# KiCad board manila_ice.kicad_pcb (continued)
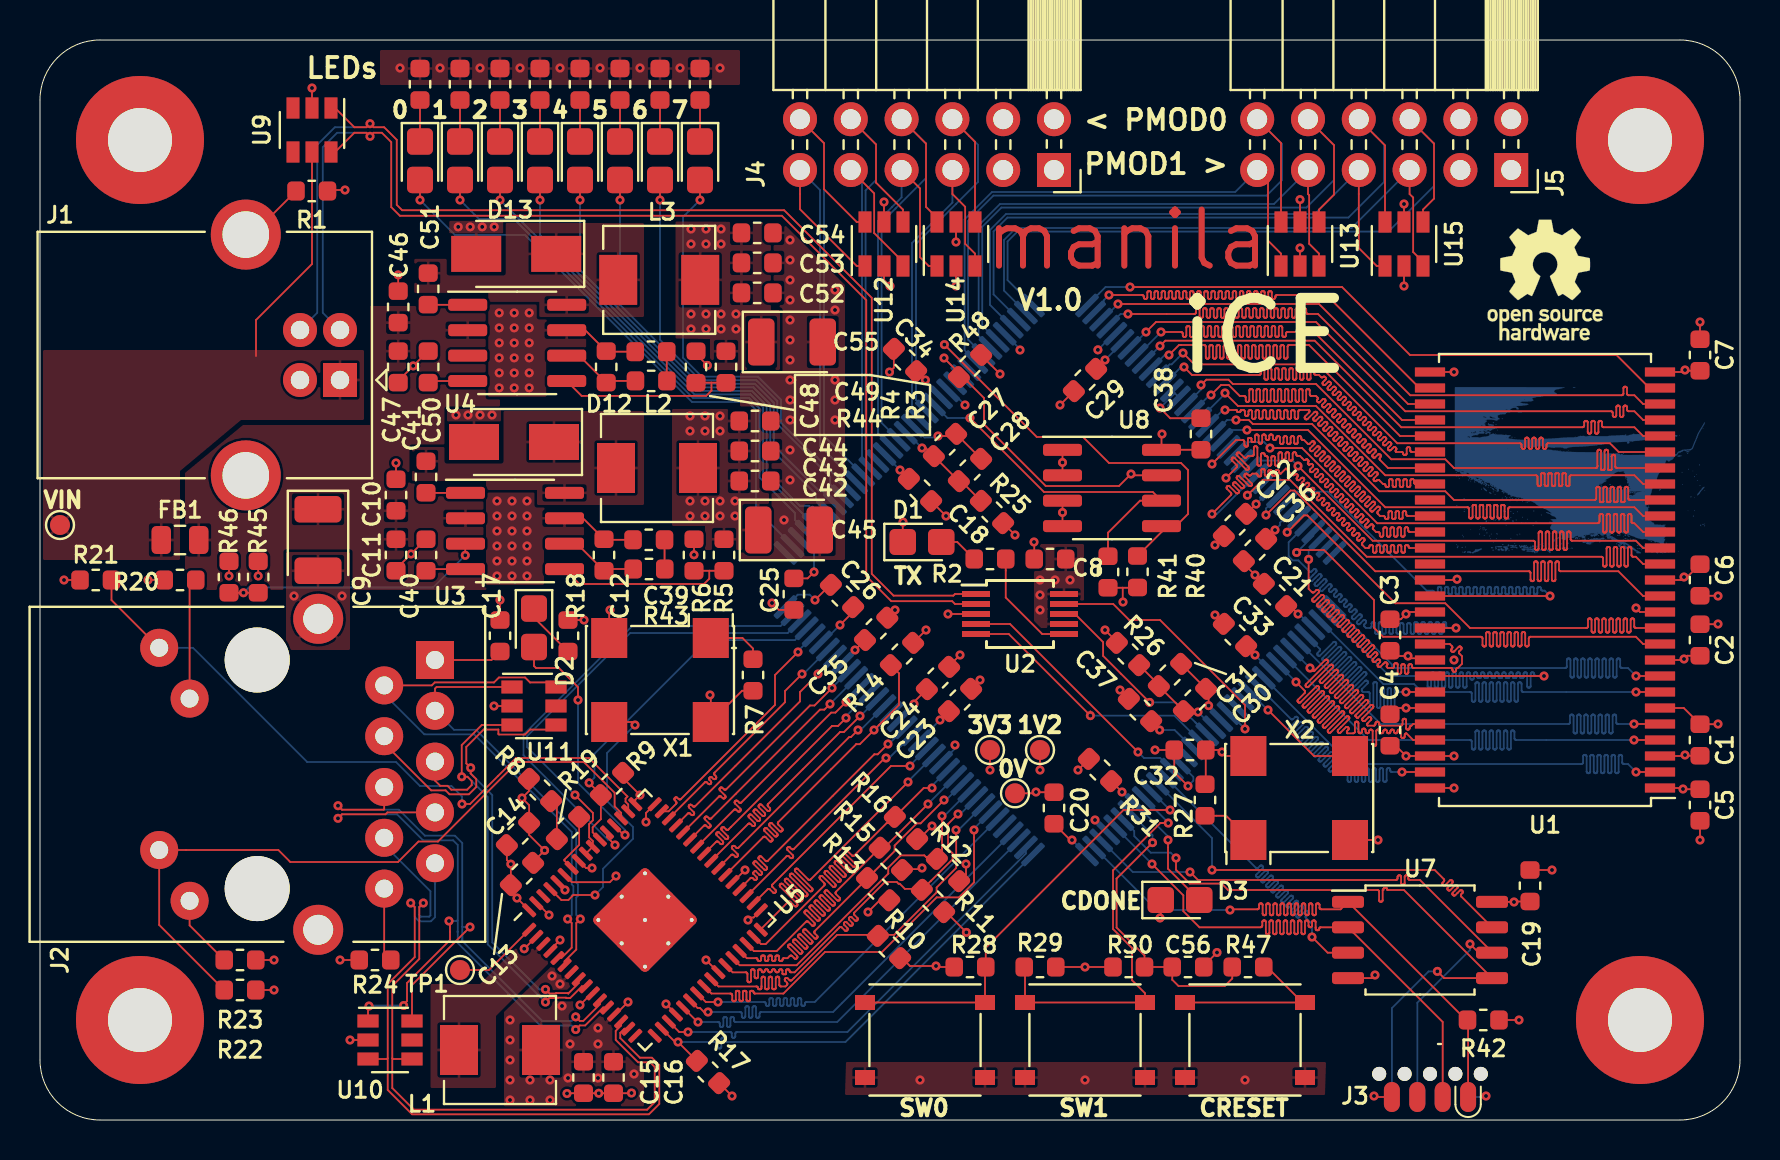
[diagram p0: board, top side]
## Routing (per net, layer and track width the routed paths; a pad name or vN(x,y) marks a point on that pad's centre or on a via; arc(x,y) is an arc through that point) (continued)
/SDRAM/DATA3: length 31
  Top w0.089: U1.7 v1(79.8,21.4)
  Bottom w0.089: U6.39 67.16,21.8 68.7,21.8 69.1,21.4 71.5,21.4 71.52,21.4 71.54,21.39 71.56,21.38 71.57,21.37 71.58,21.35 71.59,21.33 71.59,21.31 71.59,21 71.59,20.98 71.6,20.96 71.61,20.94 71.62,20.93 71.64,20.92 71.66,20.91 71.68,20.91 71.7,20.91 71.72,20.92 71.73,20.93 71.75,20.94 71.76,20.96 71.76,20.98 71.77,21 71.77,21.8 71.77,21.82 71.78,21.84 71.79,21.86 71.8,21.87 71.82,21.88 71.84,21.89 71.86,21.89 71.88,21.89 71.89,21.88 71.91,21.87 71.93,21.86 71.94,21.84 71.94,21.82 71.94,21.8 71.94,21 71.95,20.98 71.95,20.96 71.96,20.94 71.98,20.93 71.99,20.92 72.01,20.91 72.03,20.91 72.05,20.91 72.07,20.92 72.09,20.93 72.1,20.94 72.11,20.96 72.12,20.98 72.12,21 72.12,21.8 72.12,21.82 72.13,21.84 72.14,21.86 72.16,21.87 72.17,21.88 72.19,21.89 72.21,21.89 72.23,21.89 72.25,21.88 72.27,21.87 72.28,21.86 72.29,21.84 72.3,21.82 72.3,21.8 72.3,21 72.3,20.98 72.31,20.96 72.32,20.94 72.33,20.93 72.35,20.92 72.37,20.91 72.39,20.91 72.41,20.91 72.43,20.92 72.44,20.93 72.46,20.94 72.47,20.96 72.48,20.98 72.48,21 72.48,21.8 72.48,21.82 72.49,21.84 72.5,21.86 72.51,21.87 72.53,21.88 72.55,21.89 72.57,21.89 72.59,21.89 72.61,21.88 72.62,21.87 72.64,21.86 72.65,21.84 72.65,21.82 72.66,21.8 72.66,21 72.66,20.98 72.66,20.96 72.68,20.94 72.69,20.93 72.71,20.92 72.72,20.91 72.74,20.91 72.76,20.91 72.78,20.92 72.8,20.93 72.81,20.94 72.82,20.96 72.83,20.98 72.83,21 72.83,21.8 72.84,21.82 72.84,21.84 72.85,21.86 72.87,21.87 72.88,21.88 72.9,21.89 72.92,21.89 72.94,21.89 72.96,21.88 72.98,21.87 72.99,21.86 73,21.84 73.01,21.82 73.01,21.8 73.01,21 73.01,20.98 73.02,20.96 73.03,20.94 73.04,20.93 73.06,20.92 73.08,20.91 73.1,20.91 73.12,20.91 73.14,20.92 73.16,20.93 73.17,20.94 73.18,20.96 73.19,20.98 73.19,21 73.19,21.8 73.19,21.82 73.2,21.84 73.21,21.86 73.22,21.87 73.24,21.88 73.26,21.89 73.28,21.89 73.3,21.89 73.32,21.88 73.33,21.87 73.35,21.86 73.36,21.84 73.36,21.82 73.37,21.8 73.37,21 73.37,20.98 73.38,20.96 73.39,20.94 73.4,20.93 73.42,20.92 73.44,20.91 73.46,20.91 73.48,20.91 73.49,20.92 73.51,20.93 73.53,20.94 73.54,20.96 73.54,20.98 73.54,21 73.54,21.8 73.55,21.82 73.55,21.84 73.56,21.86 73.58,21.87 73.6,21.88 73.61,21.89 73.63,21.89 73.65,21.89 73.67,21.88 73.69,21.87 73.7,21.86 73.71,21.84 73.72,21.82 73.72,21.8 73.72,21 73.72,20.98 73.73,20.96 73.74,20.94 73.76,20.93 73.77,20.92 73.79,20.91 73.81,20.91 73.83,20.91 73.85,20.92 73.87,20.93 73.88,20.94 73.89,20.96 73.9,20.98 73.9,21 73.9,21.8 73.9,21.82 73.91,21.84 73.92,21.86 73.93,21.87 73.95,21.88 73.97,21.89 73.99,21.89 74.01,21.89 74.03,21.88 74.04,21.87 74.06,21.86 74.07,21.84 74.08,21.82 74.08,21.8 74.08,21.49 74.08,21.47 74.09,21.45 74.1,21.43 74.11,21.42 74.13,21.41 74.15,21.4 74.17,21.4 v1(79.8,21.4)
/SDRAM/DATA4: length 31
  Top w0.089: U1.8 v1(79.8,22.2)
  Bottom w0.089: v1(79.8,22.2) 79.4,22.6 79.1,22.6 79.08,22.6 79.06,22.61 79.04,22.62 79.03,22.63 79.02,22.65 79.01,22.67 79.01,22.69 79.01,22.99 79.01,23.01 79,23.03 78.99,23.05 78.98,23.06 78.96,23.07 78.94,23.08 78.92,23.08 78.9,23.08 78.88,23.07 78.87,23.06 78.85,23.05 78.84,23.03 78.83,23.01 78.83,22.99 78.83,22.21 78.83,22.19 78.82,22.17 78.81,22.15 78.8,22.14 78.78,22.13 78.76,22.12 78.74,22.12 78.72,22.12 78.7,22.13 78.69,22.14 78.67,22.15 78.66,22.17 78.66,22.19 78.65,22.21 78.65,22.99 78.65,23.01 78.65,23.03 78.63,23.05 78.62,23.06 78.6,23.07 78.58,23.08 78.56,23.08 78.55,23.08 78.53,23.07 78.51,23.06 78.5,23.05 78.48,23.03 78.48,23.01 78.48,22.99 78.48,22.21 78.47,22.19 78.47,22.17 78.46,22.15 78.44,22.14 78.43,22.13 78.41,22.12 78.39,22.12 78.37,22.12 78.35,22.13 78.33,22.14 78.32,22.15 78.31,22.17 78.3,22.19 78.3,22.21 78.3,22.99 78.3,23.01 78.29,23.03 78.28,23.05 78.26,23.06 78.25,23.07 78.23,23.08 78.21,23.08 78.19,23.08 78.17,23.07 78.15,23.06 78.14,23.05 78.13,23.03 78.12,23.01 78.12,22.99 78.12,22.21 78.12,22.19 78.11,22.17 78.1,22.15 78.09,22.14 78.07,22.13 78.05,22.12 78.03,22.12 78.01,22.12 77.99,22.13 77.98,22.14 77.96,22.15 77.95,22.17 77.94,22.19 77.94,22.21 77.94,22.99 77.94,23.01 77.93,23.03 77.92,23.05 77.91,23.06 77.89,23.07 77.87,23.08 77.85,23.08 77.83,23.08 77.82,23.07 77.8,23.06 77.78,23.05 77.77,23.03 77.77,23.01 77.76,22.99 77.76,22.21 77.76,22.19 77.76,22.17 77.75,22.15 77.73,22.14 77.71,22.13 77.7,22.12 77.68,22.12 77.66,22.12 77.64,22.13 77.62,22.14 77.61,22.15 77.6,22.17 77.59,22.19 77.59,22.21 77.59,22.99 77.58,23.01 77.58,23.03 77.57,23.05 77.55,23.06 77.54,23.07 77.52,23.08 77.5,23.08 77.48,23.08 77.46,23.07 77.44,23.06 77.43,23.05 77.42,23.03 77.41,23.01 77.41,22.99 77.41,22.21 77.41,22.19 77.4,22.17 77.39,22.15 77.38,22.14 77.36,22.13 77.34,22.12 77.32,22.12 77.3,22.12 77.28,22.13 77.26,22.14 77.25,22.15 77.24,22.17 77.23,22.19 77.23,22.21 77.23,22.99 77.23,23.01 77.22,23.03 77.21,23.05 77.2,23.06 77.18,23.07 77.16,23.08 77.14,23.08 77.12,23.08 77.1,23.07 77.09,23.06 77.07,23.05 77.06,23.03 77.06,23.01 77.05,22.99 77.05,22.21 77.05,22.19 77.04,22.17 77.03,22.15 77.02,22.14 77,22.13 76.98,22.12 76.96,22.12 76.94,22.12 76.93,22.13 76.91,22.14 76.9,22.15 76.88,22.17 76.88,22.19 76.88,22.21 76.88,22.99 76.87,23.01 76.87,23.03 76.86,23.05 76.84,23.06 76.83,23.07 76.81,23.08 76.79,23.08 76.77,23.08 76.75,23.07 76.73,23.06 76.72,23.05 76.71,23.03 76.7,23.01 76.7,22.99 76.7,22.21 76.7,22.19 76.69,22.17 76.68,22.15 76.66,22.14 76.65,22.13 76.63,22.12 76.61,22.12 76.59,22.12 76.57,22.13 76.55,22.14 76.54,22.15 76.53,22.17 76.52,22.19 76.52,22.21 76.52,22.99 76.52,23.01 76.51,23.03 76.5,23.05 76.49,23.06 76.47,23.07 76.45,23.08 76.43,23.08 76.41,23.08 76.39,23.07 76.38,23.06 76.36,23.05 76.35,23.03 76.34,23.01 76.34,22.99 76.34,22.69 76.34,22.67 76.33,22.65 76.32,22.63 76.31,22.62 76.29,22.61 76.27,22.6 76.25,22.6 67.6,22.6 67.6,22.77 U6.37
/SDRAM/DATA5: length 31
  Top w0.089: v1(62.83,28.38) 62.95,28.5 64.2,28.5 66.7,26 66.7,24.61 67.15,24.16 72.04,24.16 72.06,24.16 72.08,24.15 72.09,24.14 72.11,24.13 72.12,24.11 72.12,24.09 72.13,24.07 72.13,23.76 72.13,23.74 72.14,23.72 72.15,23.71 72.16,23.69 72.18,23.68 72.2,23.68 72.22,23.67 72.24,23.68 72.25,23.68 72.27,23.69 72.28,23.71 72.3,23.72 72.3,23.74 72.3,23.76 72.3,24.31 72.31,24.33 72.31,24.35 72.32,24.37 72.34,24.38 72.35,24.39 72.37,24.4 72.39,24.4 72.41,24.4 72.43,24.39 72.45,24.38 72.46,24.37 72.47,24.35 72.48,24.33 72.48,24.31 72.48,23.76 72.48,23.74 72.49,23.72 72.5,23.71 72.52,23.69 72.53,23.68 72.55,23.68 72.57,23.67 72.59,23.68 72.61,23.68 72.63,23.69 72.64,23.71 72.65,23.72 72.66,23.74 72.66,23.76 72.66,24.31 72.66,24.33 72.67,24.35 72.68,24.37 72.69,24.38 72.71,24.39 72.73,24.4 72.75,24.4 72.77,24.4 72.79,24.39 72.8,24.38 72.82,24.37 72.83,24.35 72.84,24.33 72.84,24.31 72.84,23.76 72.84,23.74 72.85,23.72 72.86,23.71 72.87,23.69 72.89,23.68 72.91,23.68 72.93,23.67 72.95,23.68 72.97,23.68 72.98,23.69 73,23.71 73.01,23.72 73.01,23.74 73.02,23.76 73.02,24.31 73.02,24.33 73.02,24.35 73.03,24.37 73.05,24.38 73.07,24.39 73.08,24.4 73.1,24.4 73.12,24.4 73.14,24.39 73.16,24.38 73.17,24.37 73.18,24.35 73.19,24.33 73.19,24.31 73.19,23.76 73.2,23.74 73.2,23.72 73.21,23.71 73.23,23.69 73.24,23.68 73.26,23.68 73.28,23.67 73.3,23.68 73.32,23.68 73.34,23.69 73.35,23.71 73.36,23.72 73.37,23.74 73.37,23.76 73.37,24.31 73.37,24.33 73.38,24.35 73.39,24.37 73.4,24.38 73.42,24.39 73.44,24.4 73.46,24.4 73.48,24.4 73.5,24.39 73.52,24.38 73.53,24.37 73.54,24.35 73.55,24.33 73.55,24.31 73.55,23.76 73.55,23.74 73.56,23.72 73.57,23.71 73.58,23.69 73.6,23.68 73.62,23.68 73.64,23.67 73.66,23.68 73.68,23.68 73.69,23.69 73.71,23.71 73.72,23.72 73.72,23.74 73.73,23.76 73.73,24.31 73.73,24.33 73.74,24.35 73.75,24.37 73.76,24.38 73.78,24.39 73.8,24.4 73.82,24.4 73.84,24.4 73.85,24.39 73.87,24.38 73.89,24.37 73.9,24.35 73.9,24.33 73.9,24.31 73.9,23.76 73.91,23.74 73.91,23.72 73.92,23.71 73.94,23.69 73.95,23.68 73.97,23.68 73.99,23.67 74.01,23.68 74.03,23.68 74.05,23.69 74.06,23.71 74.07,23.72 74.08,23.74 74.08,23.76 74.08,24.31 74.08,24.33 74.09,24.35 74.1,24.37 74.12,24.38 74.13,24.39 74.15,24.4 74.17,24.4 74.19,24.4 74.21,24.39 74.23,24.38 74.24,24.37 74.25,24.35 74.26,24.33 74.26,24.31 74.26,23.76 74.26,23.74 74.27,23.72 74.28,23.71 74.29,23.69 74.31,23.68 74.33,23.68 74.35,23.67 74.37,23.68 74.39,23.68 74.4,23.69 74.42,23.71 74.43,23.72 74.44,23.74 74.44,23.76 74.44,24.07 74.44,24.09 74.45,24.11 74.46,24.13 74.47,24.14 74.49,24.15 74.51,24.16 74.53,24.16 79.79,24.16 80.16,23.8 U1.10
  Bottom w0.089: v1(62.83,28.38) 63.67,29.21 U6.33
/SDRAM/DATA6: length 30.8
  Top w0.089: v1(62.36,29.39) 63.2,30.23 63.37,30.23 67.76,25.84 70.26,25.84 71.5,24.6 77.31,24.6 77.33,24.6 77.35,24.61 77.37,24.62 77.38,24.63 77.39,24.65 77.4,24.67 77.4,24.69 77.4,24.99 77.4,25.01 77.41,25.03 77.42,25.05 77.43,25.06 77.45,25.07 77.47,25.08 77.49,25.08 77.51,25.08 77.53,25.07 77.54,25.06 77.56,25.05 77.57,25.03 77.58,25.01 77.58,24.99 77.58,24.46 77.58,24.44 77.59,24.42 77.6,24.4 77.61,24.39 77.63,24.38 77.65,24.37 77.67,24.37 77.69,24.37 77.7,24.38 77.72,24.39 77.74,24.4 77.75,24.42 77.75,24.44 77.76,24.46 77.76,24.99 77.76,25.01 77.76,25.03 77.77,25.05 77.79,25.06 77.81,25.07 77.82,25.08 77.84,25.08 77.86,25.08 77.88,25.07 77.9,25.06 77.91,25.05 77.92,25.03 77.93,25.01 77.93,24.99 77.93,24.46 77.94,24.44 77.94,24.42 77.95,24.4 77.97,24.39 77.98,24.38 78,24.37 78.02,24.37 78.04,24.37 78.06,24.38 78.08,24.39 78.09,24.4 78.1,24.42 78.11,24.44 78.11,24.46 78.11,24.99 78.11,25.01 78.12,25.03 78.13,25.05 78.14,25.06 78.16,25.07 78.18,25.08 78.2,25.08 78.22,25.08 78.24,25.07 78.26,25.06 78.27,25.05 78.28,25.03 78.29,25.01 78.29,24.99 78.29,24.46 78.29,24.44 78.3,24.42 78.31,24.4 78.32,24.39 78.34,24.38 78.36,24.37 78.38,24.37 78.4,24.37 78.42,24.38 78.43,24.39 78.45,24.4 78.46,24.42 78.46,24.44 78.47,24.46 78.47,24.99 78.47,25.01 78.48,25.03 78.49,25.05 78.5,25.06 78.52,25.07 78.54,25.08 78.56,25.08 78.58,25.08 78.59,25.07 78.61,25.06 78.62,25.05 78.64,25.03 78.64,25.01 78.64,24.99 78.64,24.46 78.65,24.44 78.65,24.42 78.66,24.4 78.68,24.39 78.69,24.38 78.71,24.37 78.73,24.37 78.75,24.37 78.77,24.38 78.79,24.39 78.8,24.4 78.81,24.42 78.82,24.44 78.82,24.46 78.82,24.99 78.82,25.01 78.83,25.03 78.84,25.05 78.86,25.06 78.87,25.07 78.89,25.08 78.91,25.08 78.93,25.08 78.95,25.07 78.97,25.06 78.98,25.05 78.99,25.03 79,25.01 79,24.99 79,24.46 79,24.44 79.01,24.42 79.02,24.4 79.03,24.39 79.05,24.38 79.07,24.37 79.09,24.37 79.11,24.37 79.13,24.38 79.14,24.39 79.16,24.4 79.17,24.42 79.18,24.44 79.18,24.46 79.18,24.99 79.18,25.01 79.19,25.03 79.2,25.05 79.21,25.06 79.23,25.07 79.25,25.08 79.27,25.08 79.29,25.08 79.31,25.07 79.32,25.06 79.34,25.05 79.35,25.03 79.35,25.01 79.36,24.99 79.36,24.46 79.36,24.44 79.36,24.42 79.37,24.4 79.39,24.39 79.41,24.38 79.42,24.37 79.44,24.37 79.46,24.37 79.48,24.38 79.5,24.39 79.51,24.4 79.52,24.42 79.53,24.44 79.53,24.46 79.53,24.99 79.54,25.01 79.54,25.03 79.55,25.05 79.57,25.06 79.58,25.07 79.6,25.08 79.62,25.08 79.64,25.08 79.66,25.07 79.68,25.06 79.69,25.05 79.7,25.03 79.71,25.01 79.71,24.99 79.71,24.69 79.71,24.67 79.72,24.65 79.73,24.63 79.74,24.62 79.76,24.61 79.78,24.6 79.8,24.6 U1.11
  Bottom w0.089: v1(62.36,29.39) 62.96,29.99 U6.31
/SDRAM/DATA7: length 30.9
  Top w0.089: v1(61.3,30.25) 62.52,31.47 62.73,31.47 66.76,27.44 74.44,27.44 74.46,27.44 74.48,27.43 74.49,27.42 74.51,27.4 74.52,27.39 74.52,27.37 74.53,27.35 74.53,27.03 74.53,27.01 74.54,26.99 74.55,26.97 74.56,26.96 74.58,26.95 74.6,26.94 74.62,26.94 74.64,26.94 74.65,26.95 74.67,26.96 74.68,26.97 74.7,26.99 74.7,27.01 74.7,27.03 74.7,27.85 74.71,27.87 74.71,27.89 74.72,27.9 74.74,27.92 74.75,27.93 74.77,27.93 74.79,27.94 74.81,27.93 74.83,27.93 74.85,27.92 74.86,27.9 74.87,27.89 74.88,27.87 74.88,27.85 74.88,27.03 74.88,27.01 74.89,26.99 74.9,26.97 74.92,26.96 74.93,26.95 74.95,26.94 74.97,26.94 74.99,26.94 75.01,26.95 75.03,26.96 75.04,26.97 75.05,26.99 75.06,27.01 75.06,27.03 75.06,27.85 75.06,27.87 75.07,27.89 75.08,27.9 75.09,27.92 75.11,27.93 75.13,27.93 75.15,27.94 75.17,27.93 75.19,27.93 75.2,27.92 75.22,27.9 75.23,27.89 75.24,27.87 75.24,27.85 75.24,27.03 75.24,27.01 75.25,26.99 75.26,26.97 75.27,26.96 75.29,26.95 75.31,26.94 75.33,26.94 75.35,26.94 75.37,26.95 75.38,26.96 75.4,26.97 75.41,26.99 75.41,27.01 75.42,27.03 75.42,27.85 75.42,27.87 75.42,27.89 75.43,27.9 75.45,27.92 75.47,27.93 75.48,27.93 75.5,27.94 75.52,27.93 75.54,27.93 75.56,27.92 75.57,27.9 75.58,27.89 75.59,27.87 75.59,27.85 75.59,27.03 75.6,27.01 75.6,26.99 75.61,26.97 75.63,26.96 75.64,26.95 75.66,26.94 75.68,26.94 75.7,26.94 75.72,26.95 75.74,26.96 75.75,26.97 75.76,26.99 75.77,27.01 75.77,27.03 75.77,27.85 75.77,27.87 75.78,27.89 75.79,27.9 75.8,27.92 75.82,27.93 75.84,27.93 75.86,27.94 75.88,27.93 75.9,27.93 75.92,27.92 75.93,27.9 75.94,27.89 75.95,27.87 75.95,27.85 75.95,27.53 75.95,27.51 75.96,27.49 75.97,27.47 75.98,27.46 76,27.45 76.02,27.44 76.04,27.44 78.92,27.44 80.16,26.2 U1.13
  Bottom w0.089: U6.28 61.3,30.58 v1(61.3,30.25)
/SDRAM/DATA8: length 31
  Top w0.089: U1.42 v1(75.5,26.2)
  Bottom w0.089: U6.29 62.84,31.42 64.38,31.42 69.34,26.46 69.62,26.46 69.64,26.46 69.66,26.46 69.68,26.45 69.69,26.43 69.7,26.41 69.71,26.4 69.71,26.38 69.71,26.36 69.71,26.34 69.72,26.32 69.73,26.3 69.75,26.29 69.76,26.28 69.78,26.27 69.8,26.27 69.82,26.27 69.84,26.28 69.86,26.29 69.87,26.3 69.88,26.32 69.89,26.34 69.89,26.36 69.89,26.57 69.89,26.59 69.9,26.61 69.91,26.63 69.92,26.64 69.94,26.65 69.96,26.66 69.98,26.66 70,26.66 70.02,26.65 70.03,26.64 70.05,26.63 70.06,26.61 70.07,26.59 70.07,26.57 70.07,26.36 70.07,26.34 70.08,26.32 70.09,26.3 70.1,26.29 70.12,26.28 70.14,26.27 70.16,26.27 70.18,26.27 70.2,26.28 70.21,26.29 70.23,26.3 70.24,26.32 70.24,26.34 70.25,26.36 70.25,26.57 70.25,26.59 70.25,26.61 70.26,26.63 70.28,26.64 70.3,26.65 70.31,26.66 70.33,26.66 70.35,26.66 70.37,26.65 70.39,26.64 70.4,26.63 70.41,26.61 70.42,26.59 70.42,26.57 70.42,26.36 70.43,26.34 70.43,26.32 70.44,26.3 70.46,26.29 70.47,26.28 70.49,26.27 70.51,26.27 70.53,26.27 70.55,26.28 70.57,26.29 70.58,26.3 70.59,26.32 70.6,26.34 70.6,26.36 70.6,26.57 70.6,26.59 70.61,26.61 70.62,26.63 70.63,26.64 70.65,26.65 70.67,26.66 70.69,26.66 70.71,26.66 70.73,26.65 70.75,26.64 70.76,26.63 70.77,26.61 70.78,26.59 70.78,26.57 70.78,26.36 70.78,26.34 70.79,26.32 70.8,26.3 70.81,26.29 70.83,26.28 70.85,26.27 70.87,26.27 70.89,26.27 70.91,26.28 70.92,26.29 70.94,26.3 70.95,26.32 70.95,26.34 70.96,26.36 70.96,26.57 70.96,26.59 70.97,26.61 70.98,26.63 70.99,26.64 71.01,26.65 71.03,26.66 71.05,26.66 71.07,26.66 71.08,26.65 71.1,26.64 71.12,26.63 71.13,26.61 71.13,26.59 71.13,26.57 71.13,26.36 71.14,26.34 71.14,26.32 71.15,26.3 71.17,26.29 71.18,26.28 71.2,26.27 71.22,26.27 71.24,26.27 71.26,26.28 71.28,26.29 71.29,26.3 71.3,26.32 71.31,26.34 71.31,26.36 71.31,26.57 71.31,26.59 71.32,26.61 71.33,26.63 71.35,26.64 71.36,26.65 71.38,26.66 71.4,26.66 71.42,26.66 71.44,26.65 71.46,26.64 71.47,26.63 71.48,26.61 71.49,26.59 71.49,26.57 71.49,26.36 71.49,26.34 71.5,26.32 71.51,26.3 71.52,26.29 71.54,26.28 71.56,26.27 71.58,26.27 71.6,26.27 71.62,26.28 71.63,26.29 71.65,26.3 71.66,26.32 71.67,26.34 71.67,26.36 71.67,26.57 71.67,26.59 71.68,26.61 71.69,26.63 71.7,26.64 71.72,26.65 71.74,26.66 71.76,26.66 71.78,26.66 71.8,26.65 71.81,26.64 71.83,26.63 71.84,26.61 71.84,26.59 71.85,26.57 71.85,26.36 71.85,26.34 71.85,26.32 71.87,26.3 71.88,26.29 71.9,26.28 71.91,26.27 71.93,26.27 71.95,26.27 71.97,26.28 71.99,26.29 72,26.3 72.01,26.32 72.02,26.34 72.02,26.36 72.02,26.57 72.03,26.59 72.03,26.61 72.04,26.63 72.06,26.64 72.07,26.65 72.09,26.66 72.11,26.66 72.13,26.66 72.15,26.65 72.17,26.64 72.18,26.63 72.19,26.61 72.2,26.59 72.2,26.57 72.2,26.36 72.2,26.34 72.21,26.32 72.22,26.3 72.23,26.29 72.25,26.28 72.27,26.27 72.29,26.27 72.31,26.27 72.33,26.28 72.35,26.29 72.36,26.3 72.37,26.32 72.38,26.34 72.38,26.36 72.38,26.57 72.38,26.59 72.39,26.61 72.4,26.63 72.41,26.64 72.43,26.65 72.45,26.66 72.47,26.66 72.49,26.66 72.51,26.65 72.52,26.64 72.54,26.63 72.55,26.61 72.55,26.59 72.56,26.57 72.56,26.36 72.56,26.34 72.57,26.32 72.58,26.3 72.59,26.29 72.61,26.28 72.63,26.27 72.65,26.27 72.67,26.27 72.68,26.28 72.7,26.29 72.72,26.3 72.73,26.32 72.73,26.34 72.73,26.36 72.73,26.57 72.74,26.59 72.74,26.61 72.75,26.63 72.77,26.64 72.79,26.65 72.8,26.66 72.82,26.66 72.84,26.66 72.86,26.65 72.88,26.64 72.89,26.63 72.9,26.61 72.91,26.59 72.91,26.57 72.91,26.36 72.91,26.34 72.92,26.32 72.93,26.3 72.95,26.29 72.96,26.28 72.98,26.27 73,26.27 73.02,26.27 73.04,26.28 73.06,26.29 73.07,26.3 73.08,26.32 73.09,26.34 73.09,26.36 73.09,26.57 73.09,26.59 73.1,26.61 73.11,26.63 73.12,26.64 73.14,26.65 73.16,26.66 73.18,26.66 73.2,26.66 73.22,26.65 73.23,26.64 73.25,26.63 73.26,26.61 73.27,26.59 73.27,26.57 73.27,26.36 73.27,26.34 73.28,26.32 73.29,26.3 73.3,26.29 73.32,26.28 73.34,26.27 73.36,26.27 73.38,26.27 73.4,26.28 73.41,26.29 73.43,26.3 73.44,26.32 73.44,26.34 73.45,26.36 73.45,26.57 73.45,26.59 73.45,26.61 73.47,26.63 73.48,26.64 73.5,26.65 73.52,26.66 73.53,26.66 73.55,26.66 73.57,26.65 73.59,26.64 73.6,26.63 73.61,26.61 73.62,26.59 73.62,26.57 73.62,26.36 73.63,26.34 73.63,26.32 73.64,26.3 73.66,26.29 73.67,26.28 73.69,26.27 73.71,26.27 73.73,26.27 73.75,26.28 73.77,26.29 73.78,26.3 73.79,26.32 73.8,26.34 73.8,26.36 73.8,26.57 73.8,26.59 73.81,26.61 73.82,26.63 73.83,26.64 73.85,26.65 73.87,26.66 73.89,26.66 73.91,26.66 73.93,26.65 73.95,26.64 73.96,26.63 73.97,26.61 73.98,26.59 73.98,26.57 73.98,26.36 73.98,26.34 73.99,26.32 74,26.3 74.01,26.29 74.03,26.28 74.05,26.27 74.07,26.27 74.09,26.27 74.11,26.28 74.12,26.29 74.14,26.3 74.15,26.32 74.15,26.34 74.16,26.36 74.16,26.57 74.16,26.59 74.17,26.61 74.18,26.63 74.19,26.64 74.21,26.65 74.23,26.66 74.25,26.66 74.27,26.66 74.28,26.65 74.3,26.64 74.32,26.63 74.33,26.61 74.33,26.59 74.33,26.57 74.33,26.36 74.34,26.34 74.34,26.32 74.35,26.3 74.37,26.29 74.39,26.28 74.4,26.27 74.42,26.27 74.44,26.27 74.46,26.28 74.48,26.29 74.49,26.3 74.5,26.32 74.51,26.34 74.51,26.36 74.51,26.57 74.51,26.59 74.52,26.61 74.53,26.63 74.55,26.64 74.56,26.65 74.58,26.66 74.6,26.66 74.62,26.66 74.64,26.65 74.66,26.64 74.67,26.63 74.68,26.61 74.69,26.59 74.69,26.57 74.69,26.36 74.69,26.34 74.7,26.32 74.71,26.3 74.72,26.29 74.74,26.28 74.76,26.27 74.78,26.27 74.8,26.27 74.82,26.28 74.83,26.29 74.85,26.3 74.86,26.32 74.87,26.34 74.87,26.36 74.87,26.57 74.87,26.59 74.88,26.61 74.89,26.63 74.9,26.64 74.92,26.65 74.94,26.66 74.96,26.66 74.98,26.66 75,26.65 75.01,26.64 75.03,26.63 75.04,26.61 75.04,26.59 75.05,26.57 75.05,26.55 75.05,26.53 75.05,26.52 75.07,26.5 75.08,26.48 75.1,26.47 75.12,26.47 75.14,26.46 75.24,26.46 v1(75.5,26.2)
/SDRAM/DATA9: length 31
  Top w0.089: U1.44 v1(70.8,24.6)
  Bottom w0.089: v1(70.8,24.6) 70.4,24.6 70.38,24.6 70.36,24.61 70.34,24.62 70.33,24.63 70.32,24.65 70.31,24.67 70.31,24.69 70.31,24.81 70.31,24.83 70.3,24.85 70.29,24.87 70.28,24.88 70.26,24.89 70.24,24.9 70.22,24.9 70.2,24.9 70.18,24.89 70.17,24.88 70.15,24.87 70.14,24.85 70.14,24.83 70.13,24.81 70.13,24.39 70.13,24.37 70.12,24.35 70.11,24.33 70.1,24.32 70.08,24.31 70.06,24.3 70.04,24.3 70.02,24.3 70.01,24.31 69.99,24.32 69.97,24.33 69.96,24.35 69.96,24.37 69.96,24.39 69.96,24.81 69.95,24.83 69.95,24.85 69.94,24.87 69.92,24.88 69.91,24.89 69.89,24.9 69.87,24.9 69.85,24.9 69.83,24.89 69.81,24.88 69.8,24.87 69.79,24.85 69.78,24.83 69.78,24.81 69.78,24.39 69.78,24.37 69.77,24.35 69.76,24.33 69.74,24.32 69.73,24.31 69.71,24.3 69.69,24.3 69.67,24.3 69.65,24.31 69.63,24.32 69.62,24.33 69.61,24.35 69.6,24.37 69.6,24.39 69.6,24.81 69.6,24.83 69.59,24.85 69.58,24.87 69.57,24.88 69.55,24.89 69.53,24.9 69.51,24.9 69.49,24.9 69.47,24.89 69.46,24.88 69.44,24.87 69.43,24.85 69.42,24.83 69.42,24.81 69.42,24.39 69.42,24.37 69.41,24.35 69.4,24.33 69.39,24.32 69.37,24.31 69.35,24.3 69.33,24.3 69.31,24.3 69.29,24.31 69.28,24.32 69.26,24.33 69.25,24.35 69.25,24.37 69.24,24.39 69.24,24.81 69.24,24.83 69.24,24.85 69.22,24.87 69.21,24.88 69.19,24.89 69.18,24.9 69.16,24.9 69.14,24.9 69.12,24.89 69.1,24.88 69.09,24.87 69.08,24.85 69.07,24.83 69.07,24.81 69.07,24.39 69.06,24.37 69.06,24.35 69.05,24.33 69.03,24.32 69.02,24.31 69,24.3 68.98,24.3 68.96,24.3 68.94,24.31 68.92,24.32 68.91,24.33 68.9,24.35 68.89,24.37 68.89,24.39 68.89,24.81 68.89,24.83 68.88,24.85 68.87,24.87 68.86,24.88 68.84,24.89 68.82,24.9 68.8,24.9 68.78,24.9 68.76,24.89 68.74,24.88 68.73,24.87 68.72,24.85 68.71,24.83 68.71,24.81 68.71,24.39 68.71,24.37 68.7,24.35 68.69,24.33 68.68,24.32 68.66,24.31 68.64,24.3 68.62,24.3 68.6,24.3 68.58,24.31 68.57,24.32 68.55,24.33 68.54,24.35 68.54,24.37 68.53,24.39 68.53,24.76 68.53,24.78 68.52,24.8 68.51,24.82 68.5,24.83 68.48,24.84 68.46,24.85 68.44,24.85 68.42,24.85 68.41,24.84 68.39,24.83 68.37,24.82 68.36,24.8 68.36,24.78 68.36,24.76 68.36,24.39 68.35,24.37 68.35,24.35 68.34,24.33 68.32,24.32 68.3,24.31 68.29,24.3 68.27,24.3 68.25,24.3 68.23,24.31 68.21,24.32 68.2,24.33 68.19,24.35 68.18,24.37 68.18,24.39 68.18,24.76 68.18,24.78 68.17,24.8 68.16,24.82 68.14,24.83 68.13,24.84 68.11,24.85 68.09,24.85 68.07,24.85 68.05,24.84 68.03,24.83 68.02,24.82 68.01,24.8 68,24.78 68,24.76 68,24.39 68,24.37 67.99,24.35 67.98,24.33 67.97,24.32 67.95,24.31 67.93,24.3 67.91,24.3 67.89,24.3 67.87,24.31 67.86,24.32 67.84,24.33 67.83,24.35 67.82,24.37 67.82,24.39 67.82,24.81 67.82,24.83 67.81,24.85 67.8,24.87 67.79,24.88 67.77,24.89 67.75,24.9 67.73,24.9 67.71,24.9 67.69,24.89 67.68,24.88 67.66,24.87 67.65,24.85 67.65,24.83 67.64,24.81 67.64,24.39 67.64,24.37 67.64,24.35 67.62,24.33 67.61,24.32 67.59,24.31 67.57,24.3 67.56,24.3 67.54,24.3 67.52,24.31 67.5,24.32 67.49,24.33 67.48,24.35 67.47,24.37 67.47,24.39 67.47,24.81 67.46,24.83 67.46,24.85 67.45,24.87 67.43,24.88 67.42,24.89 67.4,24.9 67.38,24.9 67.36,24.9 67.34,24.89 67.32,24.88 67.31,24.87 67.3,24.85 67.29,24.83 67.29,24.81 67.29,24.39 67.29,24.37 67.28,24.35 67.27,24.33 67.26,24.32 67.24,24.31 67.22,24.3 67.2,24.3 67.18,24.3 67.16,24.31 67.14,24.32 67.13,24.33 67.12,24.35 67.11,24.37 67.11,24.39 67.11,24.81 67.11,24.83 67.1,24.85 67.09,24.87 67.08,24.88 67.06,24.89 67.04,24.9 67.02,24.9 67,24.9 66.98,24.89 66.97,24.88 66.95,24.87 66.94,24.85 66.94,24.83 66.93,24.81 66.93,24.39 66.93,24.37 66.92,24.35 66.91,24.33 66.9,24.32 66.88,24.31 66.86,24.3 66.84,24.3 66.82,24.3 66.81,24.31 66.79,24.32 66.77,24.33 66.76,24.35 66.76,24.37 66.76,24.39 66.76,24.81 66.75,24.83 66.75,24.85 66.74,24.87 66.72,24.88 66.7,24.89 66.69,24.9 66.67,24.9 66.65,24.9 66.63,24.89 66.61,24.88 66.6,24.87 66.59,24.85 66.58,24.83 66.58,24.81 66.58,24.69 66.58,24.67 66.57,24.65 66.56,24.63 66.54,24.62 66.53,24.61 66.51,24.6 66.49,24.6 66.3,24.6 66.23,24.67 66.22,24.69 66.21,24.7 66.2,24.72 66.2,24.74 66.21,24.76 66.22,24.78 66.23,24.8 66.28,24.85 66.29,24.86 66.3,24.88 66.31,24.9 66.31,24.92 66.3,24.94 66.29,24.96 66.28,24.97 66.26,24.99 66.25,24.99 66.23,25 66.21,25 66.19,24.99 66.17,24.99 66.15,24.97 65.99,24.81 65.97,24.8 65.96,24.79 65.94,24.79 65.93,24.79 65.91,24.79 65.9,24.8 65.88,24.81 65.86,24.83 65.85,24.84 65.84,24.85 65.84,24.87 65.84,24.89 65.84,24.9 65.85,24.92 65.86,24.93 66.06,25.13 66.08,25.15 66.08,25.17 66.09,25.19 66.09,25.21 66.08,25.23 66.08,25.24 66.06,25.26 66.05,25.27 66.03,25.28 66.01,25.29 65.99,25.29 65.97,25.28 65.95,25.27 65.94,25.26 65.74,25.06 65.72,25.05 65.71,25.04 65.69,25.04 65.68,25.04 65.66,25.04 65.64,25.05 65.63,25.06 65.61,25.08 65.6,25.09 65.59,25.11 65.59,25.12 65.59,25.14 65.59,25.16 65.6,25.17 65.61,25.18 65.81,25.39 65.82,25.4 65.83,25.42 65.84,25.44 65.84,25.46 65.83,25.48 65.82,25.5 65.81,25.51 65.8,25.52 65.78,25.53 65.76,25.54 65.74,25.54 65.72,25.53 65.7,25.52 65.69,25.51 65.6,25.43 65.59,25.41 65.57,25.4 65.55,25.4 65.53,25.4 65.51,25.4 65.49,25.41 65.47,25.43 65.46,25.44 65.45,25.46 65.45,25.48 65.45,25.5 65.45,25.52 65.46,25.54 65.47,25.55 65.56,25.64 65.57,25.65 65.58,25.67 65.59,25.69 65.59,25.71 65.58,25.73 65.57,25.75 65.56,25.76 65.55,25.77 65.53,25.78 65.51,25.79 65.49,25.79 65.47,25.78 65.45,25.77 65.44,25.76 65.35,25.68 65.33,25.66 65.32,25.66 65.3,25.65 65.28,25.65 65.26,25.66 65.24,25.66 65.22,25.68 65.21,25.69 65.2,25.71 65.2,25.73 65.2,25.75 65.2,25.77 65.21,25.79 65.22,25.8 65.31,25.89 65.32,25.9 65.33,25.92 65.34,25.94 65.34,25.96 65.33,25.98 65.32,26 65.31,26.01 65.29,26.03 65.28,26.04 65.26,26.04 65.24,26.04 65.22,26.04 65.2,26.03 65.18,26.01 65.1,25.93 65.08,25.92 65.06,25.91 65.04,25.9 65.02,25.9 65.01,25.91 64.99,25.92 64.97,25.93 64.96,25.94 64.95,25.96 64.95,25.98 64.95,26 64.95,26.02 64.96,26.04 64.97,26.05 65.06,26.14 65.07,26.16 65.08,26.17 65.08,26.19 65.08,26.21 65.08,26.23 65.07,26.25 65.06,26.27 65.04,26.28 65.02,26.29 65.01,26.29 64.99,26.29 64.97,26.29 64.95,26.28 64.93,26.27 64.85,26.18 64.83,26.17 64.81,26.16 64.79,26.15 64.77,26.15 64.75,26.16 64.74,26.17 64.72,26.18 64.71,26.19 64.7,26.21 64.7,26.23 64.7,26.25 64.7,26.27 64.71,26.29 64.72,26.31 64.81,26.39 64.82,26.41 64.83,26.42 64.83,26.44 64.83,26.46 64.83,26.48 64.82,26.5 64.81,26.52 64.79,26.53 64.77,26.54 64.75,26.54 64.73,26.54 64.71,26.54 64.7,26.53 64.68,26.52 64.59,26.43 64.58,26.42 64.56,26.41 64.54,26.41 64.52,26.41 64.5,26.41 64.48,26.42 64.47,26.43 64.46,26.45 64.45,26.46 64.44,26.48 64.44,26.5 64.45,26.52 64.46,26.54 64.47,26.56 64.56,26.64 64.57,26.66 64.58,26.68 64.58,26.7 64.58,26.72 64.58,26.73 64.57,26.75 64.56,26.77 64.54,26.78 64.52,26.79 64.5,26.79 64.48,26.79 64.46,26.79 64.45,26.78 64.43,26.77 64.13,26.47 64.12,26.46 64.1,26.45 64.08,26.45 64.06,26.45 64.04,26.45 64.02,26.46 64.01,26.47 63.99,26.49 63.98,26.5 63.98,26.52 63.98,26.54 63.98,26.56 63.99,26.58 64.01,26.6 64.3,26.89 64.32,26.91 64.32,26.93 64.33,26.95 64.33,26.97 64.32,26.99 64.32,27 64.3,27.02 64.29,27.03 64.27,27.04 64.25,27.05 64.23,27.05 64.21,27.04 64.19,27.03 64.18,27.02 63.88,26.72 63.86,26.71 63.85,26.7 63.83,26.7 63.81,26.7 63.79,26.7 63.77,26.71 63.75,26.72 63.74,26.74 63.73,26.76 63.73,26.77 63.73,26.79 63.73,26.81 63.74,26.83 63.75,26.85 64.05,27.15 64.06,27.16 64.07,27.18 64.08,27.2 64.08,27.22 64.07,27.24 64.06,27.26 64.05,27.27 64.04,27.28 64.02,27.29 64,27.3 63.98,27.3 63.96,27.29 63.94,27.28 63.93,27.27 63.63,26.97 63.61,26.96 63.6,26.95 63.58,26.95 63.56,26.95 63.54,26.95 63.52,26.96 63.5,26.97 63.49,26.99 63.48,27.01 63.48,27.03 63.48,27.05 63.48,27.07 63.49,27.08 63.5,27.1 63.8,27.4 63.81,27.41 63.82,27.43 63.83,27.45 63.83,27.47 63.82,27.49 63.81,27.51 63.8,27.52 63.79,27.54 63.77,27.54 63.75,27.55 63.73,27.55 63.71,27.54 63.69,27.54 63.68,27.52 63.59,27.44 63.57,27.42 63.56,27.42 63.54,27.41 63.52,27.41 63.5,27.42 63.48,27.42 63.46,27.44 62.92,27.98 62.64,27.98 62.43,28.19 62.43,28.89 U6.32
